# Altium PCB PCB1.PcbDoc
Units mil, origin at the board's own origin, x right, y up, seen from the top; angles counter-clockwise.
Board outline 6000 x 4000 mil, 2 copper layers (Top Layer, Bottom Layer); 45 components, 28 nets, 95 pads, 0 vias.
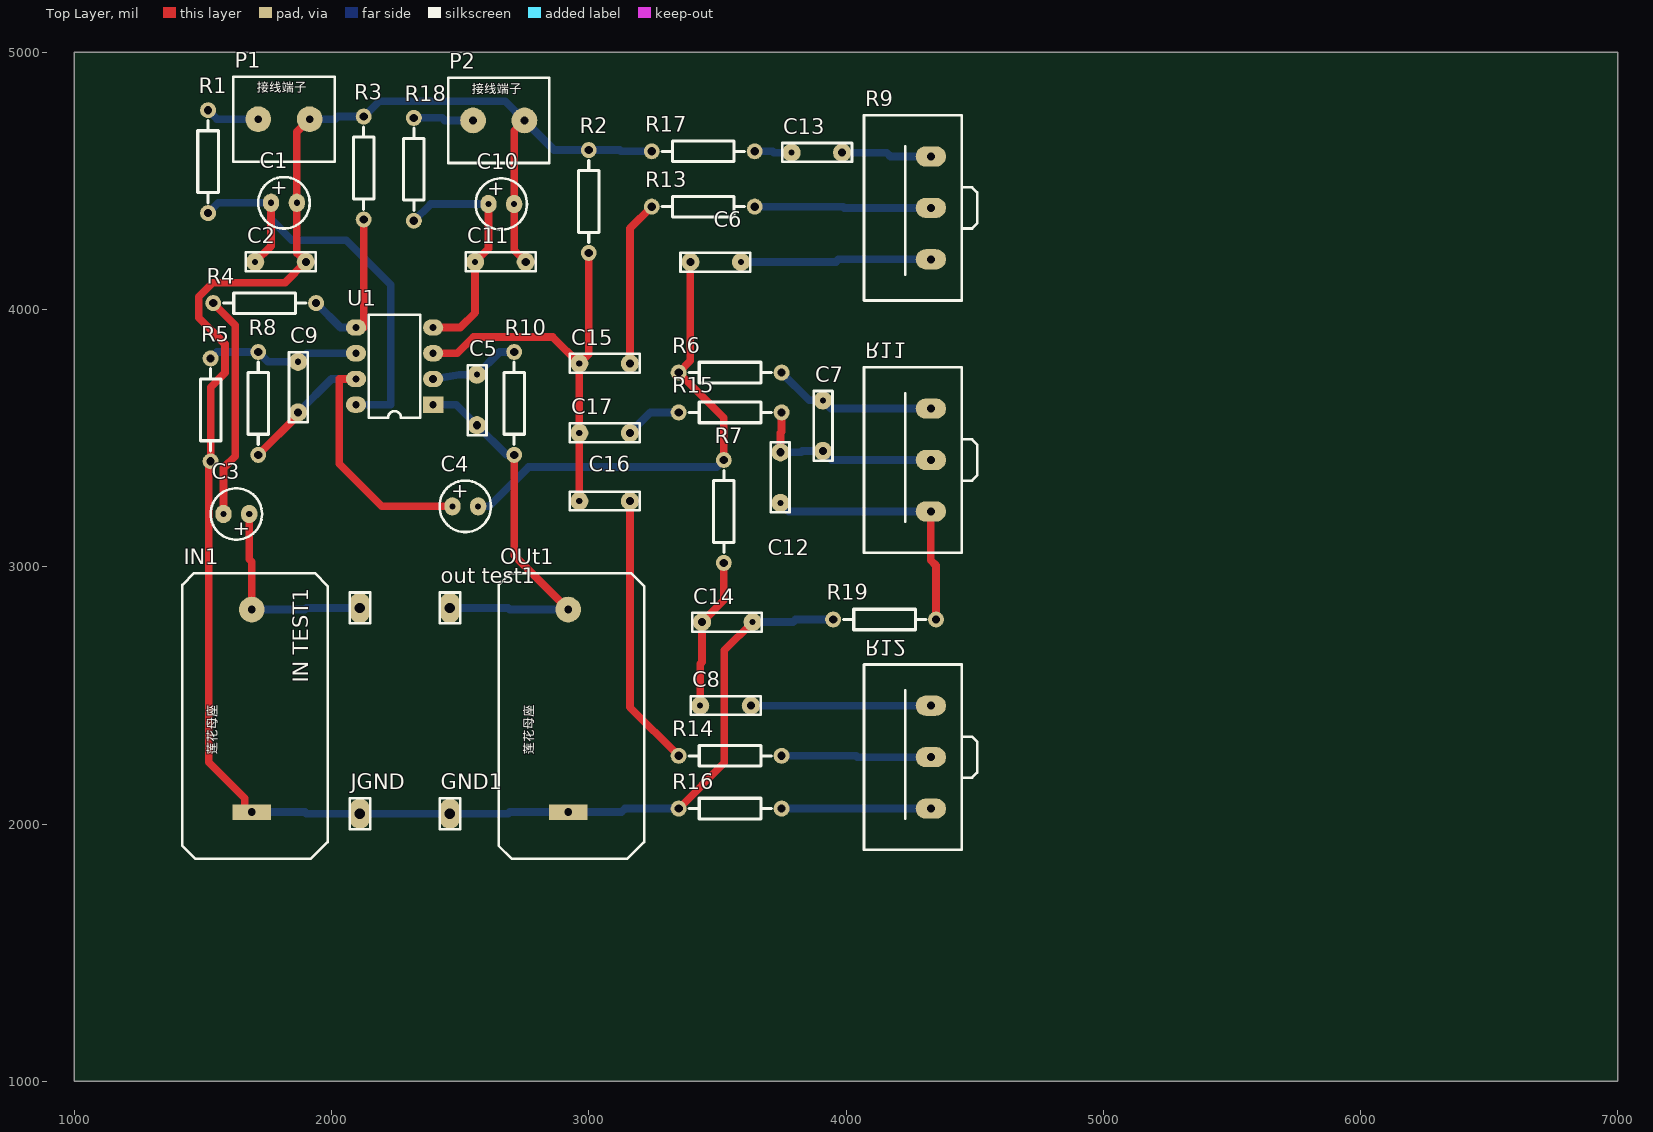
[diagram p0: Top Layer view]
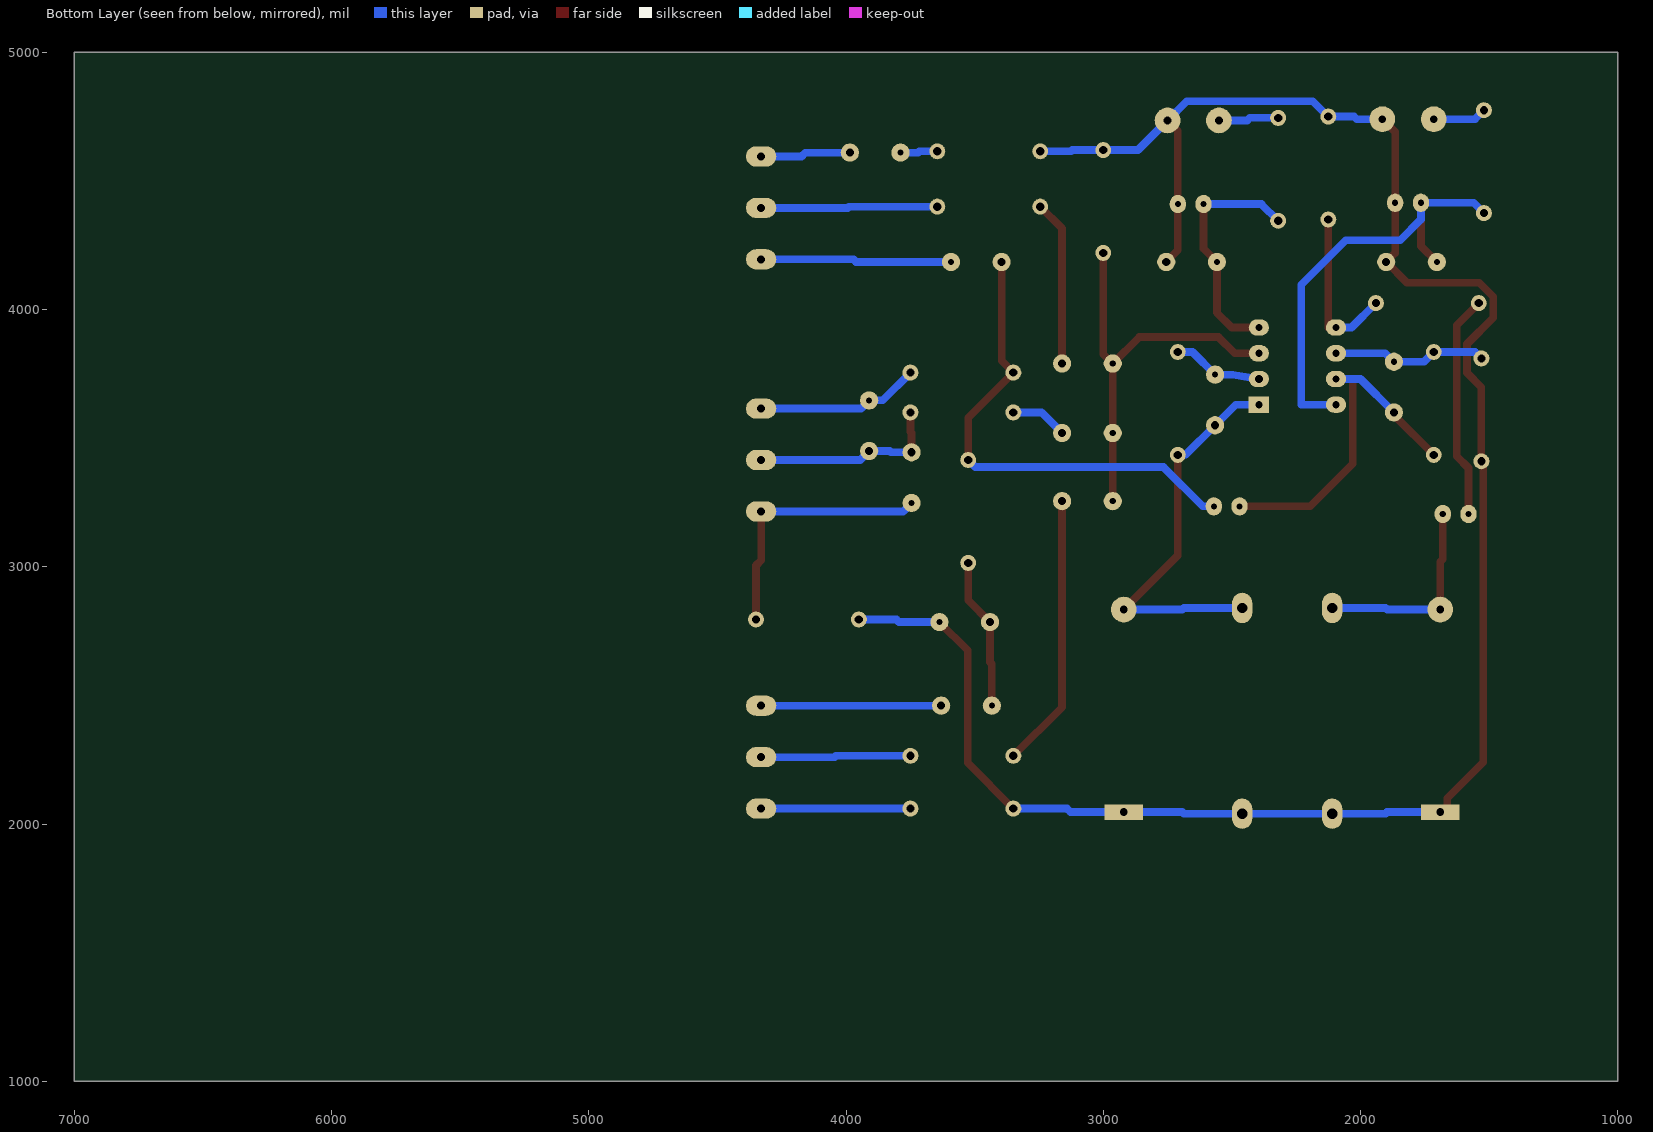
[diagram p1: Bottom Layer view, seen from below]

## Layer stack, top to bottom
Top Solder: solder mask 0.4, Solder Resist, Dk 3.5
Top Layer: signal copper 1.4
Dielectric 1: dielectric 12.6, FR-4, Dk 4.8
Bottom Layer: signal copper 1.4
Bottom Solder: solder mask 0.4, Solder Resist, Dk 3.5

## Board outline
1000,1000 7000,1000 7000,5000 1000,5000

## Design rules (kind name [scope] priority, off if disabled: settings)
Clearance [All] p1: gap=10
PolygonConnect [All] p1: connectstyle=Relief reliefconductorwidth=10 reliefentries=4 polygonreliefangle="90 Angle" airgapwidth=10
RoutingVias [All] p1: holewidth=28 width=50 viastyle="Through Hole" minholewidth=28 minwidth=50 maxholewidth=28 maxwidth=50
SolderMaskExpansion [All] p1: expansion=4
Width [All] p1: maxlimit=30 minlimit=30 preferedwidth=30
30 further rules are at their usual default settings.

## Components (designator, comment, footprint, x,y, rotation, side; value= is the part's Value field where it differs from the comment)
C1 "22uf" CAO2 1815,4415 r0 top
C2 "104" CAP2 1900,4185 r180 top
C3 "CAP3" CAO2 1630,3205 r180 top
C4 "22uf" CAO2 2520,3235 r0 top
C5 "10uf" CAP2 2565,3550 r90 top
C6 "223" CAP2 3395,4185 r0 top
C7 "683" CAP2 3910,3450 r90 top
C8 "333" CAP2 3630,2460 r180 top
C9 "10pf" CAP2 1870,3600 r90 top
C10 "22uf" CAO2 2660,4410 r0 top
C11 "104" CAP2 2755,4185 r180 top
C12 "683" CAP2 3745,3445 r270 top
C13 "223" CAP2 3985,4610 r180 top
C14 "333" CAP2 3440,2785 r0 top
C15 "224" CAP2 3160,3790 r180 top
C16 "224" CAP2 3160,3255 r180 top
C17 "224" CAP2 3160,3520 r180 top
GND1 "CON1" SIP-1 2460,2040.36 r0 top
IN1 "莲花插座" 莲花母座 1690,2440 r90 top
"IN TEST1" "CON1" SIP-1 2110,2840 r180 top
JGND "GND" SIP-1 2110,2040.36 r180 top
OUt1 "莲花插座" 莲花母座 2920,2440 r90 top
"out test1" "CON1" SIP-1 2460,2840 r0 top
P1 "接线端子" 接线端子 1815,4740 r0 top
P2 "接线端子" 接线端子 2650,4735 r0 top
R1 "220" AXIAL0.4 1520,4375 r90 top
R2 "10k" AXIAL0.4 3000,4220 r90 top
R3 "15k" AXIAL0.4 2125,4350 r90 top
R4 "1k" AXIAL0.4 1540,4025 r0 top
R5 "1k" AXIAL0.4 1530,3410 r90 top
R6 "1k" AXIAL0.4 3749.43,3755 r180 top
R7 "2k" AXIAL0.4 3525,3015 r90 top
R8 "2k" AXIAL0.4 1715,3435 r90 top
R9 "10k" RVR-A 4330,4195 r90 top
R10 "10k" AXIAL0.4 2710,3835 r270 top
R11 "10k" RVR-A 4330,3615 r270 top
R12 "10k" RVR-A 4330,2460 r270 top
R13 "4.7k" AXIAL0.4 3245,4400 r0 top
R14 "4.7k" AXIAL0.4 3349.43,2265 r0 top
R15 "4.7k" AXIAL0.4 3349.43,3600 r0 top
R16 "1k" AXIAL0.4 3349.43,2060 r0 top
R17 "2.7k" AXIAL0.4 3245,4615 r0 top
R18 "220" AXIAL0.4 2320,4745 r270 top
R19 "1k" AXIAL0.4 3950,2795 r0 top
U1 "NE5532" DIP-8 2395,3630 r180 top

## Footprints (in the part's own frame and the unit in brackets; to place one, negate y for a bottom-side part, rotate by r counter-clockwise, add the part's x,y. Pads: shape width x height; smd on the part's side, far side on the other; paste and mask are expansions set on the pad)
AXIAL0.4 [mil]
  round 62 hole 32: 1(0,0) 2(400,0)
  silkscreen extent 40,-40 360,40
CAO2 [mm]
  oval 1.6x1.8 hole 0.6: 1(-1.27,0) 2(1.27,0)
  silkscreen extent -2.54,-2.54 2.54,2.54
CAP2 [mm]
  round 1.8 hole 0.8: 1(0,0)
  round 1.8 hole 0.6: 2(5,0)
  silkscreen extent -0.98,-0.95 5.93,0.9
DIP-8 [mm]
  rect 2x1.6 hole 0.7: 1(0,0)
  oval 2x1.6 hole 0.8: 2(0,-2.54)
  oval 2x1.6 hole 0.7: 3(0,-5.08) 4(0,-7.62) 5(7.62,-7.62) 6(7.62,-5.08) 7(7.62,-2.54) 8(7.62,0)
  silkscreen extent 1.27,-8.89 6.35,1.27
RVR-A [mm]
  oval 2x3 hole 0.8: 1(0,0) 2(5.08,0) 3(10.16,0)
  silkscreen extent -4.06,-4.57 14.22,6.6
SIP-1 [mm]
  oval 2x3 hole 1.016: 1(0,0)
  silkscreen extent -1.02,-1.52 1.02,1.52
接线端子 [mil]
  round 100 hole 30: 1(-100,0) 2(100,0)
  silkscreen extent -197,-165 197,165
莲花母座 [mil] "莲花插座"
  round 100 hole 30: 1(393.7,0)
  rect 60x150 hole 30: 2(-393.7,0)
  silkscreen extent -575,-295 535,270

## Part data
C1 C4 C10: library part CAP3
C2 C5 C6 C7 C8 C9 C11 C12 C13 C14 C15 C16 C17: library part CAP1
GND1 "IN TEST1" "out test1": "Connector"
IN1 OUt1: library part PCA
JGND: library part CON1, "Connector"
R1 R3 R4 R5 R8 R13 R17 R18 R19: library part RES, "电阻"
R2 R6 R7 R10 R14 R15 R16: library part RES
R9 R11 R12: library part RPOT-1, "Potentiometer"
U1: library part 1458

## Nets (pads, with @x,y where several pads share a name; then routed paths per layer and width w, separated by ;. In a path a pad name is that pad's centre, name@x,y a point inside that pad or via, vN(x,y) a via of type N, cw(c..) or ccw(c..) an arc to the next point about the centre after c; other vN are vias at no path point)
+20V: P1.1 R1.2 | length 209.5
  Bottom Layer w30: R1.2 1555,4740 P1.1
-20V: P2.1 R18.1 | length 234.1
  Bottom Layer w30: R18.1 2430,4745 2440,4735 P2.1
GND: C1.2 C2.1 C10.2 C11.1 C14.2 GND1.1 IN1.2 JGND.1 OUt1.2 P1.2 P2.2 R2.2 R3.2 R5.1 R16.1 R17.1 R19.1 | length 8075.5
  Top Layer w30: IN1.2 1663,2046.3 1663,2100 1523,2240 1523,3403 R5.1 1530,3698 1586,3754 1586,3866 1484,3968 1484,4050 1538,4104 1819,4104 C2.1 1865,4220 C1.2 1865,4690 P1.2 ; P2.2 2710,4695 C10.2 2710,4230 C11.1 ; R16.1 3527,2237.57 3527,2675.15 C14.2
  Bottom Layer w30: IN1.2 1897,2046.3 1902.94,2040.36 JGND.1 GND1.1 2687,2040.36 2692.94,2046.3 OUt1.2 3127,2046.3 3140.7,2060 R16.1 ; P1.2 2015,4740 2025,4750 R3.2 2185,4810 2675,4810 P2.2 2865,4620 R2.2 3120,4620 3125,4615 R17.1 ; C14.2 3794,2785 3804,2795 R19.1
NetC1_1: C1.1 C2.2 R1.1 U1.8 | length 1753.4
  Top Layer w30: C2.2 1765,4246.85 C1.1
  Bottom Layer w30: R1.1 1560,4415 C1.1 1765,4350 1846,4269 2057,4269 2230,4096 2230,3630 U1.8
NetC3_1: "IN TEST1.1" C3.1 IN1.1 | length 798.1
  Top Layer w30: C3.1 1680,3030 1690,3020 IN1.1
  Bottom Layer w30: IN1.1 1896,2833.7 1902.3,2840 2110,2840
NetC3_2: C3.2 R4.1 | length 874.7
  Top Layer w30: R4.1 1626,3939 1626,3430 1580,3384 C3.2
NetC4_1: C4.1 C9.1 R8.1 U1.7 | length 1411.4
  Top Layer w30: R8.1 1870,3590 C9.1 ; U1.7 2030,3730 2030,3400 2195,3235 C4.1
  Bottom Layer w30: C9.1 2000,3730 U1.7
NetC4_2: C4.2 C6.1 R6.2 R7.2 | length 1891.2
  Top Layer w30: C6.1 3395,3800.57 R6.2 3525,3579.43 R7.2
  Bottom Layer w30: C4.2 2613,3235 2766,3388 3498,3388 R7.2
NetC5_1: "out test1.1" C5.1 OUt1.1 R10.2 U1.1 | length 1546.7
  Top Layer w30: R10.2 2710,3043.7 OUt1.1
  Bottom Layer w30: U1.1 2485,3630 C5.1 2680,3435 R10.2 ; 2460,2840 2686,2840 2692.3,2833.7 OUt1.1
NetC5_2: C5.2 R10.1 U1.2 | length 352.9
  Bottom Layer w30: U1.2 2496.85,3746.85 C5.2 2653.15,3835 R10.1
NetC6_2: C6.2 R9.1 | length 742.3
  Bottom Layer w30: C6.2 3961,4185 3971,4195 R9.1
NetC7_1: C7.1 C12.1 R11.2 R15.2 | length 758.4
  Top Layer w30: C12.1 3745,3520 3749.43,3524.43 R15.2
  Bottom Layer w30: C12.1 3825,3445 3830,3450 C7.1 3945,3415 R11.2
NetC7_2: C7.2 R6.1 R11.1 | length 638.6
  Bottom Layer w30: R6.1 3857.58,3646.85 C7.2 3941.85,3615 R11.1
NetC8_1: C8.1 R12.1 | length 700
  Bottom Layer w30: C8.1 R12.1
NetC8_2: C8.2 C14.1 R7.1 | length 593
  Top Layer w30: C8.2 3433.15,2623 3440,2629.85 C14.1 3525,2870 R7.1
NetC9_2: C9.2 R5.2 R8.2 U1.6 | length 604.9
  Bottom Layer w30: R5.2 1555,3835 R8.2 1753.15,3796.85 C9.2 1903.15,3830 U1.6
NetC10_1: C10.1 C11.2 R18.2 U1.4 | length 947.5
  Top Layer w30: U1.4 2500,3930 2558.15,3988.15 C11.2 2610,4236.85 C10.1
  Bottom Layer w30: R18.2 2385,4410 C10.1
NetC12_2: C12.2 R11.3 R19.2 | length 1027
  Top Layer w30: R11.3 4330,3025 4350,3005 R19.2
  Bottom Layer w30: C12.2 3778.15,3215 R11.3
NetC13_1: C13.1 R9.3 | length 351.2
  Bottom Layer w30: C13.1 4158,4610 4173,4595 R9.3
NetC13_2: C13.2 R17.2 | length 145.2
  Bottom Layer w30: R17.2 3714,4615 3719,4610 C13.2
NetC15_1: C15.1 R13.1 | length 645.2
  Top Layer w30: C15.1 3160,4315 R13.1
NetC15_2: C15.2 C16.2 C17.2 R2.1 U1.3 | length 1617.2
  Top Layer w30: U1.3 2489,3830 2552,3893 2860.15,3893 C15.2 ; C16.2 C17.2 C15.2 ; R2.1 3000,3826.85 C15.2
NetC16_1: C16.1 R14.1 | length 1068.5
  Top Layer w30: C16.1 3160,2454.43 R14.1
NetC17_1: C17.1 R15.1 | length 222.6
  Bottom Layer w30: C17.1 3240,3600 R15.1
NetR3_1: R3.1 R4.2 U1.5 | length 644.4
  Top Layer w30: U1.5 2125,3930 R3.1
  Bottom Layer w30: R4.2 2035,3930 U1.5
NetR9_2: R9.2 R13.2 | length 687.1
  Bottom Layer w30: R13.2 3988,4400 3993,4395 R9.2
NetR12_2: R12.2 R14.2 | length 582.6
  Bottom Layer w30: R14.2 4040,2265 4045,2260 R12.2
NetR12_3: R12.3 R16.2 | length 580.6
  Bottom Layer w30: R16.2 R12.3

## Text inside footprints (layer, text, board x,y; h text height)
C1: Top Overlay "+" at 1760.87,4448.47 h60
C3: Top Overlay "+" at 1684.13,3171.53 h60 r180
C4: Top Overlay "+" at 2465.87,3268.47 h60
C10: Top Overlay "+" at 2605.87,4443.47 h60
IN1: Top Overlay "莲花母座" at 1565,2270 h60 r90
OUt1: Top Overlay "莲花母座" at 2795,2270 h60 r90